# KiCad board Lime_RFE.kicad_pcb (continued)
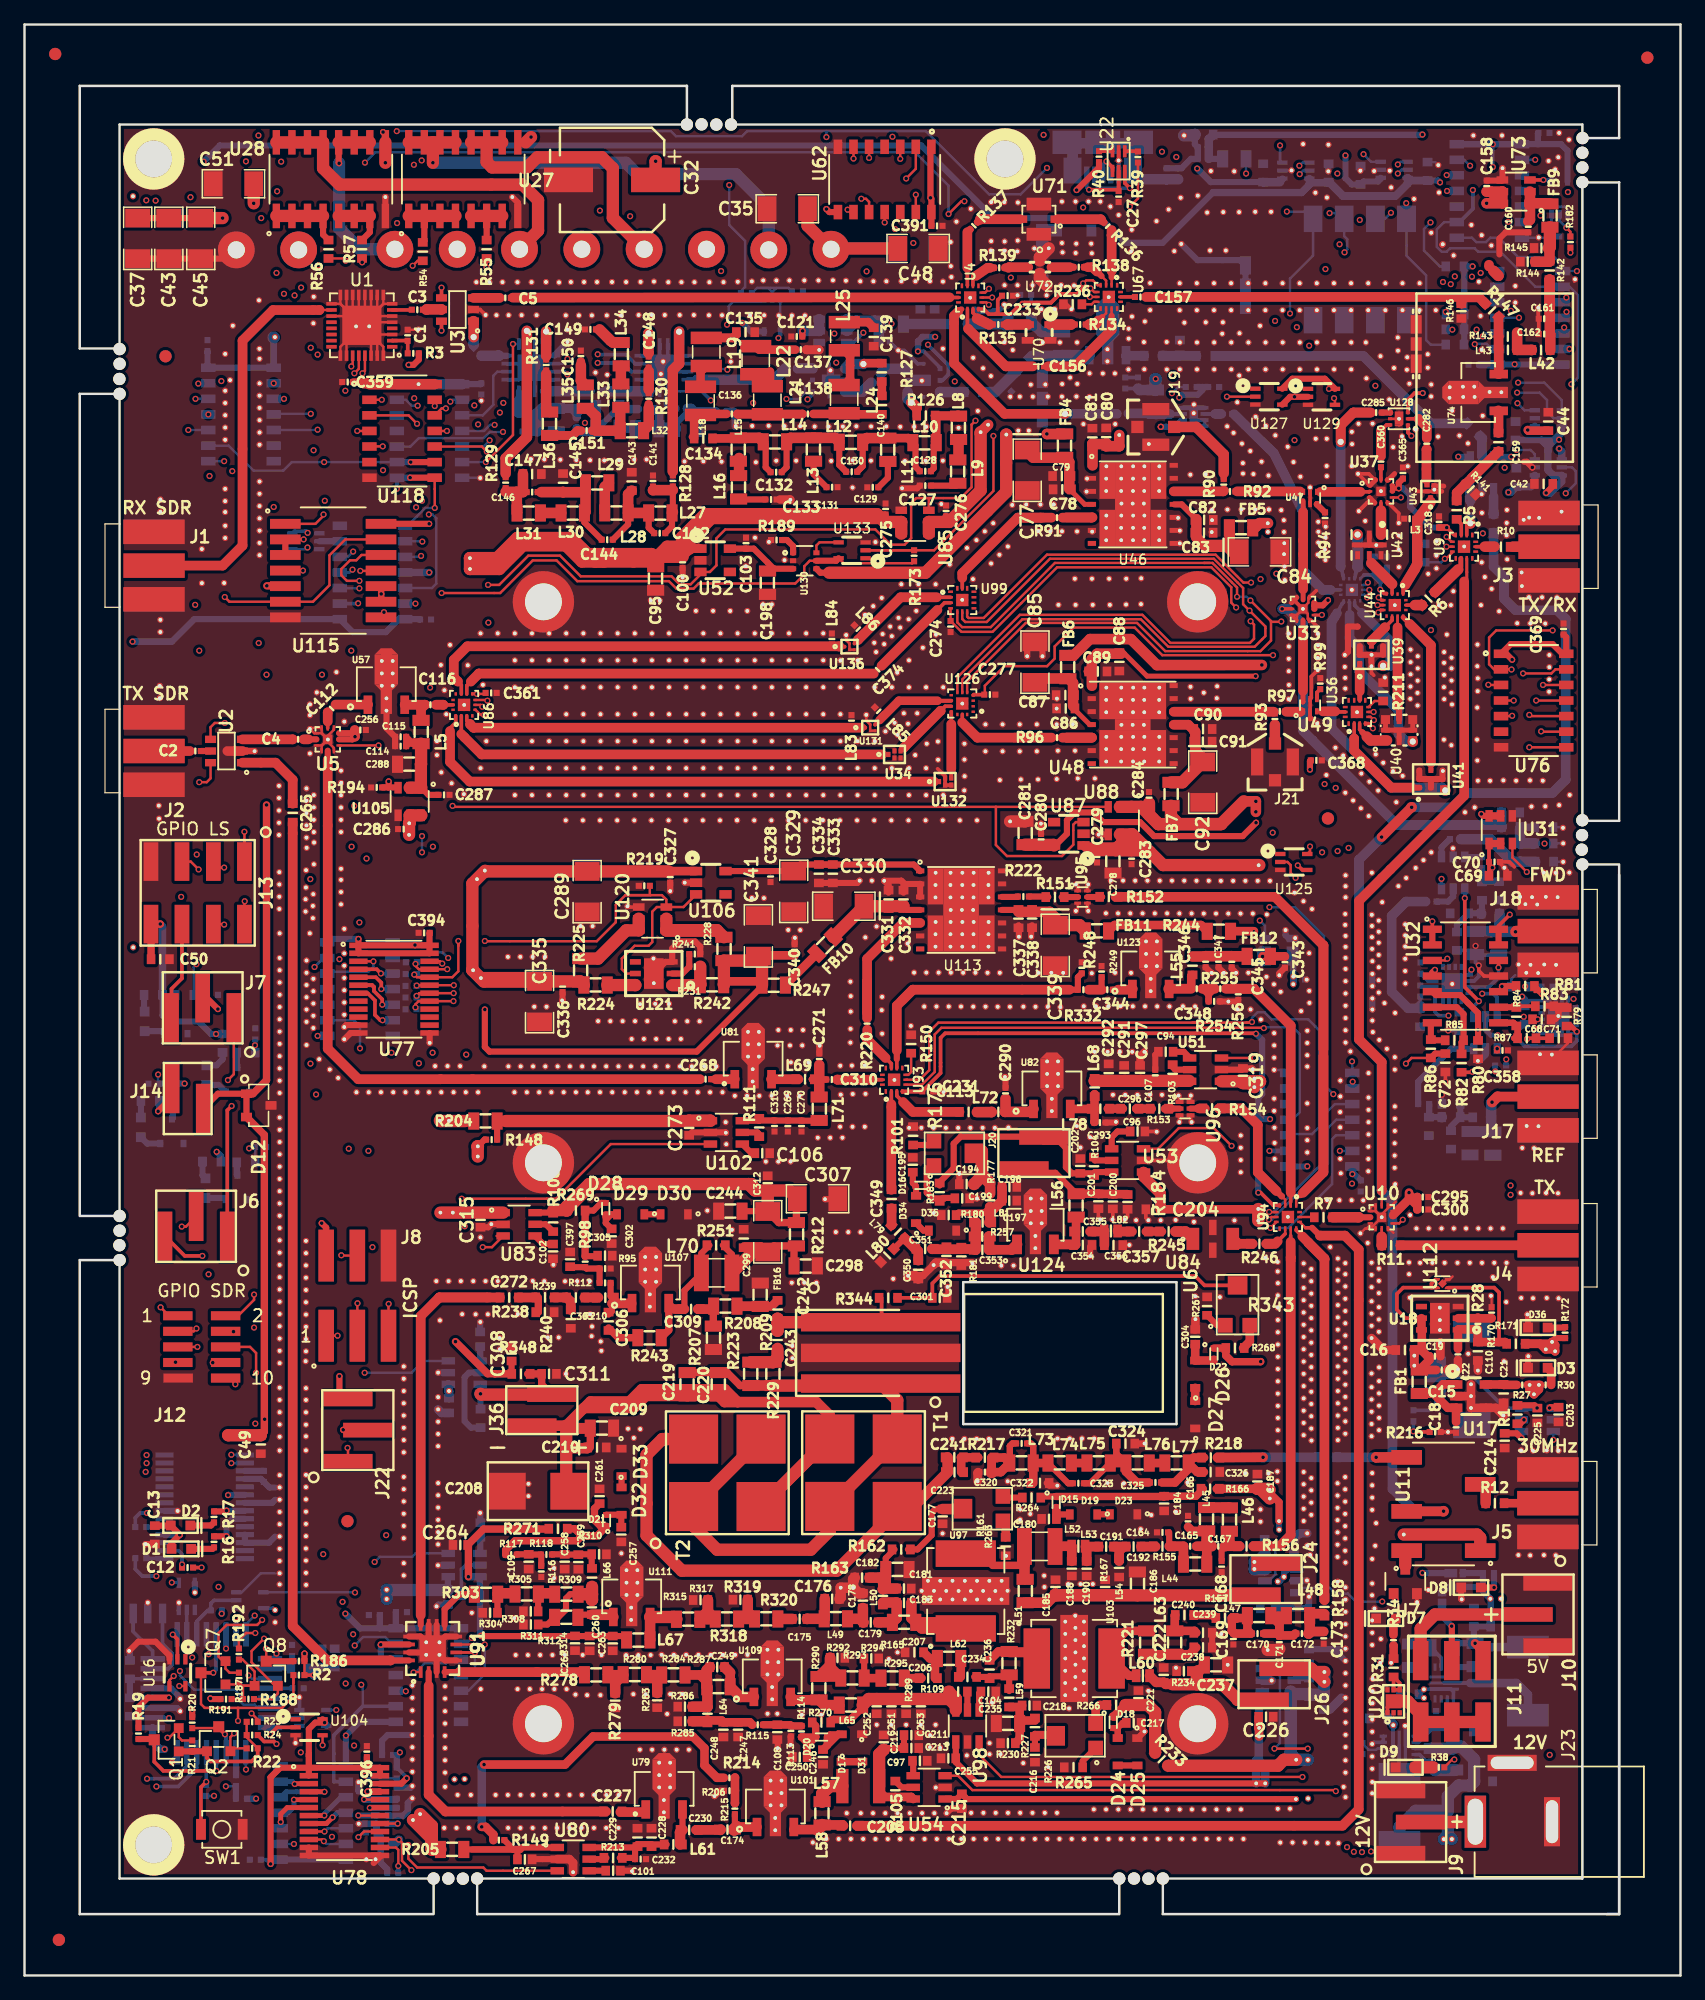
[diagram p0: board, top side]
## Nets (continued)
Net-(C187-Pad1): C187.1 GND_VIA#252.1 GND_VIA#253.1 GND_VIA#254.1 GND_VIA#255.1 GND_VIA#631.1 GND_VIA#632.1 J24.2 R102.2 R166.2 U50.6
Net-(C188-Pad1): C188.1 L52.1 L53.2
Net-(C189-Pad2): C189.2 FB2.1 U12.18
Net-(C190-Pad1): C190.1 C191.2 L53.1
Net-(C191-Pad1): C191.1 C192.2 L54.1
Net-(C194-Pad2): C194.2 R176.2 R177.1
Net-(C195-Pad1): C195.1 D16.2 D34.2
Net-(C196-Pad1): C196.1 C197.1 L81.1 R177.2 R180.2
Net-(C199-Pad1): C199.1 D16.1 R176.3 R183.1
Net-(C200-Pad2): C200.2 C201.2 J20.1 L56.1 R184.1
Net-(C202-Pad1): C202.1 J20.2 R104.2 R183.2 U53.6
Net-(C205-Pad2): C205.2 L58.2 U101.3
Net-(C206-Pad1): C206.1 C207.1 L62.2
Net-(C208-Pad1): C208.1 C209.2 C210.2 C219.2 C220.2 J36.1 T1.2 T2.2
Net-(C211-Pad2): C211.2 C212.2 C213.1 L57.1 R105.2 U54.6
Net-(C214-Pad1): C214.1 U110.4
Net-(C216-Pad2): C216.2 R226.2 R227.1
Net-(C217-Pad1): C217.1 D18.2 D24.2
Net-(C218-Pad1): C218.1 C235.1 L59.1 R227.2 R230.2
Net-(C219-Pad1): C219.1 C220.1 R223.2 R229.2 T1.1 T1.3 T2.1 T2.3 U6.3
Net-(C221-Pad1): C221.1 D18.1 R233.1 R266.2
Net-(C222-Pad2): C222.2 C237.2 J26.1 L60.1 R234.1
Net-(C223-Pad2): C223.2 C241.2 T1.4 T2.4
Net-(C224-Pad1): C224.1 GND_VIA#225.1 GND_VIA#226.1 GND_VIA#229.1 GND_VIA#230.1 J26.2 R106.2 R233.2 U55.6
Net-(C227-Pad1): C227.1 U79.1
Net-(C228-Pad1): C228.1 C229.1 C232.1 L61.1 R213.2 U80.6
Net-(C230-Pad2): C230.2 L61.2 U79.3
Net-(C231-Pad1): C231.1 L72.2
Net-(C234-Pad1): C234.1 C236.2 L59.2 R232.2
Net-(C234-Pad2): C234.2 L62.1
Net-(C236-Pad1): C236.1 R232.1 U103.1
Net-(C238-Pad1): C238.1 L63.2 R221.1
Net-(C239-Pad1): C239.1 C240.2 L63.1
Net-(C242-Pad1): C242.1 C243.2 R344.2 U6.1
Net-(C242-Pad2): C242.2 R208.1 R209.2
Net-(C243-Pad1): C243.1 R223.1 R229.1
Net-(C244-Pad1): C244.1 C307.1 C312.1 FB16.1 R108.2 R212.2 R269.2 U83.6
Net-(C246-Pad1): C246.1 D17.2 D20.2
Net-(C247-Pad1): C247.1 C248.1 L64.1 R115.1 R285.2
Net-(C249-Pad1): C249.1 R287.1 U109.1
Net-(C249-Pad2): C249.2 L64.2 R284.1 R286.2 R287.2
Net-(C250-Pad1): C250.1 D20.1 R114.2 R270.1
Net-(C251-Pad2): C251.2 C252.2 C253.1 L65.1 R109.2 R270.2 R289.1 U98.6
Net-(C257-Pad1): C257.1 D21.2 D32.2
Net-(C258-Pad1): C258.1 C259.1 L66.1 R118.1 R310.2
Net-(C260-Pad1): C260.1 R312.1 U111.1
Net-(C260-Pad2): C260.2 L66.2 R309.1 R311.2 R312.2
Net-(C261-Pad1): C261.1 D21.1 R117.2 R271.1
Net-(C262-Pad2): C262.2 C263.2 C264.1 L67.1 R110.2 R271.2 R314.1 U100.6
Net-(C265-Pad2): C265.2 U2.1
Net-(C268-Pad2): C268.2 U81.1
Net-(C269-Pad2): C269.2 C270.2 C316.1 L71.1 R111.2 U102.6
Net-(C271-Pad1): C271.1 C310.1 L69.1 L71.2
Net-(C272-Pad1): C272.1 R238.2 R239.1
Net-(C282-Pad2): C282.2 U128.2
Net-(C285-Pad1): C285.1 U128.4
Net-(C290-Pad1): C290.1 L72.1 U82.1
Net-(C293-Pad1): C293.1 L68.2 L78.2 U82.3
Net-(C294-Pad2): C294.2 U8.5
Net-(C296-Pad2): C296.2 L78.1
Net-(C298-Pad1): C298.1 C299.1 FB16.2 L70.1 R212.1 R251.2
Net-(C301-Pad2): C301.2 R343.2 R344.1
Net-(C302-Pad1): C302.1 D28.2 D29.2
Net-(C303-Pad1): C303.1 R210.2
Net-(C303-Pad2): C303.2 R239.2 R240.2
Net-(C304-Pad1): C304.1 D22.2 D26.2
Net-(C305-Pad1): C305.1 D28.1 R98.2 R269.1
Net-(C306-Pad1): C306.1 R243.1
Net-(C306-Pad2): C306.2 R112.1 R210.1 U107.1
Net-(C308-Pad1): C308.1 D22.1 R268.2 R348.1
Net-(C309-Pad2): C309.2 L70.2 R243.2 R251.1 U107.3
Net-(C311-Pad1): C311.1 J36.2 R107.2 R348.2 U56.6
Net-(C313-Pad2): C313.2 U8.1
Net-(C320-Pad1): C320.1 C321.2 L73.2 R217.1
Net-(C321-Pad1): C321.1 C322.1 C323.2 L73.1 L74.2
Net-(C323-Pad1): C323.1 C324.1 C325.2 L75.1 L76.2
Net-(C325-Pad1): C325.1 C326.1 L77.1 R218.2
Net-(C330-Pad1): C330.1 C331.1 C332.1 FB10.2 U113.4
Net-(C337-Pad1): C337.1 C338.1 C339.1 FB11.2 U113.11
Net-(C340-Pad1): C340.1 C341.1 R228.1 R242.2 R244.1 R247.1
Net-(C343-Pad1): C343.1 FB12.2 U122.1 U122.2
Net-(C344-Pad1): C344.1 U123.1
Net-(C344-Pad2): C344.2 R249.1 R332.1
Net-(C345-Pad1): C345.1 C346.2 C347.2 FB12.1 L55.1
Net-(C348-Pad1): C348.1 R254.1 R255.2
Net-(C348-Pad2): C348.2 L55.2 U123.3
Net-(C349-Pad1): C349.1 L79.2
Net-(C350-Pad2): C350.2 C351.2 L79.1 L80.1
Net-(C351-Pad1): C351.1 C352.1 C353.2 L81.2 R181.2 R257.2
Net-(C353-Pad1): C353.1 R257.1 U124.1
Net-(C354-Pad1): C354.1 C355.2 L56.2 U124.3
Net-(C355-Pad1): C355.1 C356.1 L82.2
Net-(C357-Pad2): C357.2 L82.1
Net-(C358-Pad2): C358.2 U30.1
Net-(C360-Pad1): C360.1 U128.6
Net-(C374-Pad1): C374.1 U86.9
Net-(C374-Pad2): C374.2 U99.3
Net-(C397-Pad1): C397.1 R95.1 R98.1 R112.2
Net-(CON1-Pad2): CON1.2 U22.6
Net-(CON1-Pad3): CON1.3 U22.4
Net-(CON1-Pad4): CON1.4
Net-(D1-Pad2): D1.2 R16.1
Net-(D2-Pad2): D2.2 R17.1
Net-(D3-Pad1): D3.1 R30.1
Net-(D7-Pad1): D7.1 R34.2
Net-(D8-Pad1): D8.1 R35.2
Net-(D9-Pad1): D9.1 R38.1
Net-(D10-Pad1): D10.1 R48.1
Net-(D10-Pad2): D10.2 Q3.3
Net-(D11-Pad1): D11.1 R49.1
Net-(D11-Pad2): D11.2 Q4.3
Net-(D13-Pad1): D13.1 R52.1
Net-(D13-Pad2): D13.2 Q5.3
Net-(D14-Pad1): D14.1 R53.1
Net-(D14-Pad2): D14.2 Q6.3
Net-(D17-Pad1): D17.1 D31.2
Net-(D19-Pad1): D19.1 D23.2
Net-(D24-Pad1): D24.1 D25.2
Net-(D26-Pad1): D26.1 D27.2
Net-(D29-Pad1): D29.1 D30.2
Net-(D32-Pad1): D32.1 D33.2
Net-(D34-Pad1): D34.1 D35.2
Net-(D36-Pad1): D36.1 R172.2
Net-(FB8-Pad1): FB8.1 R121.2 R122.2 R123.2
Net-(FB9-Pad1): FB9.1 R142.2 R144.2 R145.2
Net-(IC1-Pad5): IC1.5
Net-(IC1-Pad6): IC1.6
Net-(IC1-Pad7): IC1.7
Net-(IC1-Pad8): IC1.8
Net-(IC1-Pad9): IC1.9 IC2.9 R78.1 R79.2
Net-(IC1-Pad11): IC1.11 IC1.12 U32.12
Net-(IC1-Pad13): IC1.13
Net-(IC1-Pad15): IC1.15
Net-(IC1-Pad16): IC1.16
Net-(IC2-Pad5): IC2.5
Net-(IC2-Pad6): IC2.6
Net-(IC2-Pad7): IC2.7
Net-(IC2-Pad8): IC2.8
Net-(IC2-Pad11): IC2.11 IC2.12 U32.3
Net-(IC2-Pad13): IC2.13
Net-(IC2-Pad15): IC2.15
Net-(IC2-Pad16): IC2.16
Net-(J1-Pad1): J1.1 U1.18
Net-(J3-Pad1): J3.1 R10.1
Net-(J4-Pad1): J4.1 R11.1
Net-(J5-Pad1): J5.1 R12.1
Net-(J6-Pad2): J6.2 U12.22
Net-(J7-Pad2): J7.2 U12.19
Net-(J10-Pad2): J10.2 J11.5
Net-(J11-Pad2): J11.2 J11.4 J11.6 U20.1
Net-(J17-Pad1): J17.1 R62.1 R64.1 R67.1
Net-(J18-Pad1): J18.1 R63.1 R66.1 R69.1
Net-(J19-Pad1): J19.1 R90.1
Net-(J21-Pad1): J21.1 R93.1
Net-(L1-Pad2): L1.2 U19.2
Net-(L2-Pad2): L2.2 U21.2
Net-(L3-Pad1): L3.1 U43.1 U44.1
Net-(L6-Pad2): L6.2 L7.1
Net-(L8-Pad2): L8.2 L9.1
Net-(L15-Pad2): L15.2 L16.1
Net-(L18-Pad2): L18.2 L19.1
Net-(L21-Pad2): L21.2 L22.1
Net-(L24-Pad2): L24.2 L25.1
Net-(L28-Pad1): L28.1 L29.2
Net-(L30-Pad1): L30.1 L31.2
Net-(L33-Pad2): L33.2 L34.1
Net-(L36-Pad1): L36.1 R131.1
Net-(L38-Pad1): L38.1 L39.2
Net-(L42-Pad2): L42.2 L43.1 R143.2
Net-(L43-Pad2): L43.2 R143.1 R147.2 U74.3
Net-(L45-Pad1): L45.1 L46.2
Net-(L51-Pad2): L51.2 L52.2 U97.2
Net-(L57-Pad2): L57.2 L58.1
Net-(L60-Pad2): L60.2 R221.2 U103.2
Net-(L65-Pad2): L65.2 R290.2 U109.3
Net-(L67-Pad2): L67.2 R315.2 U111.3
Net-(L69-Pad2): L69.2 U81.3
Net-(L74-Pad1): L74.1 L75.2
Net-(L76-Pad1): L76.1 L77.2
Net-(L83-Pad2): L83.2 U86.3 U131.1
Net-(L84-Pad2): L84.2 U86.10 U136.1
Net-(L85-Pad2): L85.2 U126.9 U131.4
Net-(L86-Pad2): L86.2 U99.2 U136.4
Net-(P1-Pad3): P1.3 R235.1
Net-(Q1-PadG): Q1.G Q2.G R21.2 R22.2 R23.2 R24.2
Net-(Q3-Pad1): Q3.1 R46.1
Net-(Q4-Pad1): Q4.1 R47.1
Net-(Q5-Pad1): Q5.1 R50.1
Net-(Q6-Pad1): Q6.1 R51.1
Net-(Q7-PadG): Q7.G Q8.G R187.2 R188.2 R191.2 R192.2
Net-(R1-Pad1): R1.1 U110.5
Net-(R4-Pad2): R4.2 U12.26
Net-(R5-Pad1): R5.1 U9.3
Net-(R6-Pad1): R6.1 U9.9
Net-(R7-Pad1): R7.1 U10.2
Net-(R9-Pad1): R9.1 U9.7
Net-(R10-Pad2): R10.2 U9.13
Net-(R11-Pad2): R11.2 U10.5
Net-(R12-Pad2): R12.2 U11.3
Net-(R14-Pad2): R14.2 U12.31
Net-(R15-Pad2): R15.2 U12.30
Net-(R16-Pad2): R16.2 U13.23
Net-(R17-Pad2): R17.2 U13.22
Net-(R25-Pad2): R25.2 R26.2 U19.5
Net-(R29-Pad1): R29.1 U19.7
Net-(R31-Pad2): R31.2 U20.4 U20.5
Net-(R32-Pad2): R32.2 R33.2 U21.5
Net-(R36-Pad1): R36.1 U21.7
Net-(R39-Pad1): R39.1 U22.1
Net-(R40-Pad1): R40.1 U22.3
Net-(R54-Pad1): R54.1 U27.1 U27.2 U27.3 U27.4
Net-(R55-Pad1): R55.1 U27.5 U27.6 U27.7
Net-(R56-Pad1): R56.1 U28.1 U28.2 U28.3 U28.4
Net-(R57-Pad1): R57.1 U28.5 U28.6 U28.7
Net-(R80-Pad2): R80.2 R81.1 U32.5
Net-(R81-Pad2): R81.2 U32.10 U32.13 U32.14
Net-(R82-Pad1): R82.1 R85.2 U32.6
Net-(R82-Pad2): R82.2 U32.1 U32.2
Net-(R83-Pad2): R83.2 R84.1 U32.9
Net-(R84-Pad2): R84.2 R87.1 U32.8
Net-(R85-Pad1): R85.1 R86.1 U32.7
Net-(R88-Pad2): R88.2 R89.2 U45.6
Net-(R90-Pad2): R90.2 R92.1 U46.12
Net-(R91-Pad1): R91.1 U46.5
Net-(R92-Pad2): R92.2 U47.3
Net-(R93-Pad2): R93.2 R97.1 U48.12
Net-(R94-Pad1): R94.1 U47.6
Net-(R96-Pad1): R96.1 U48.5
Net-(R97-Pad2): R97.2 U49.1
Net-(R99-Pad1): R99.1 U49.4
Net-(R101-Pad2): R101.2 R176.1
Net-(R102-Pad1): R102.1 U50.5
Net-(R103-Pad1): R103.1 U51.5
Net-(R104-Pad1): R104.1 U53.5
Net-(R105-Pad1): R105.1 U54.5
Net-(R106-Pad1): R106.1 U55.5
Net-(R107-Pad1): R107.1 U56.5
Net-(R108-Pad1): R108.1 U83.5
Net-(R109-Pad1): R109.1 U98.5
Net-(R110-Pad1): R110.1 U100.5
Net-(R111-Pad1): R111.1 U102.5
Net-(R134-Pad1): R134.1 U70.1
Net-(R135-Pad2): R135.2 U70.2
Net-(R136-Pad1): R136.1 U71.1
Net-(R137-Pad2): R137.2 U71.2
Net-(R138-Pad1): R138.1 U72.2
Net-(R139-Pad2): R139.2 U72.4
Net-(R140-Pad1): R140.1 R168.2 U77.22 U78.22
Net-(R150-Pad1): R150.1 U93.7
Net-(R151-Pad1): R151.1 U95.2
Net-(R152-Pad2): R152.2 U95.5
Net-(R153-Pad2): R153.2 U96.2
Net-(R154-Pad2): R154.2 U96.5
Net-(R161-Pad1): R161.1 R263.2
Net-(R161-Pad3): R161.3 R264.1
Net-(R170-Pad2): R28.1 R170.2 U18.2
Net-(R175-Pad2): R175.2 R178.1 U64.2
Net-(R182-Pad2): R182.2 R185.1 U69.2
Net-(R189-Pad1): R189.1 U130.1
Net-(R206-Pad1): R206.1 R214.1 R215.2
Net-(R211-Pad1): R211.1 U36.7
Net-(R213-Pad1): R213.1 U80.5
Net-(R220-Pad1): R220.1 U113.5
Net-(R222-Pad1): R222.1 U113.12
Net-(R224-Pad1): R224.1 U121.6
Net-(R225-Pad1): R225.1 U120.5 U120.6
Net-(R226-Pad1): R226.1 R265.2
Net-(R226-Pad3): R226.3 R266.1
Net-(R228-Pad2): R228.2 U120.1 U120.2
Net-(R231-Pad1): R231.1 R241.2 U121.2
Net-(R231-Pad2): R231.2 R242.1 U121.1
Net-(R236-Pad1): R236.1 U67.7
Net-(R245-Pad1): R245.1 U84.1
Net-(R246-Pad2): R246.2 U84.3
Net-(R267-Pad2): R267.2 R343.1
Net-(R268-Pad1): R268.1 R343.3
Net-(R278-Pad2): R278.2 R279.2 R280.2
Net-(R280-Pad1): R280.1 R283.2 R284.2
Net-(R290-Pad1): R290.1 R292.2 R293.2
Net-(R293-Pad1): R293.1 R294.2 R295.2
Net-(R303-Pad2): R303.2 R304.2 R305.2
Net-(R305-Pad1): R305.1 R308.2 R309.2
Net-(R315-Pad1): R315.1 R317.2 R318.2
Net-(R318-Pad1): R318.1 R319.2 R320.2
Net-(U1-Pad1): U1.1
Net-(U1-Pad4): U1.4
Net-(U1-Pad20): U1.20
Net-(U1-Pad21): U1.21
Net-(U1-Pad22): U1.22
Net-(U1-Pad23): U1.23
Net-(U1-Pad24): U1.24
Net-(U4-Pad8): U4.8
Net-(U4-Pad11): U4.11
Net-(U4-Pad12): U4.12
Net-(U4-Pad14): U4.14
Net-(U9-Pad1): U9.1
Net-(U9-Pad8): U9.8
Net-(U9-Pad11): U9.11
Net-(U9-Pad12): U9.12
Net-(U9-Pad14): U9.14
Net-(U10-Pad11): U9.10 U10.11
Net-(U11-Pad8): U7.1 U11.8
Net-(U12-Pad7): U12.7 X1.3
Net-(U12-Pad8): U12.8 X1.1
Net-(U12-Pad12): U12.12
Net-(U13-Pad3): U13.3
Net-(U13-Pad6): U13.6
Net-(U13-Pad8): U13.8
Net-(U13-Pad9): U13.9
Net-(U13-Pad10): U13.10
Net-(U13-Pad11): U13.11
Net-(U13-Pad12): U13.12
Net-(U13-Pad13): U13.13
Net-(U13-Pad14): U13.14
Net-(U13-Pad19): U13.19
Net-(U13-Pad24): U13.24
Net-(U13-Pad27): U13.27
Net-(U13-Pad28): U13.28
Net-(U14-Pad1): U14.1
Net-(U15-Pad1): U15.1
Net-(U16-Pad1): U16.1
Net-(U18-Pad4): U18.4
Net-(U20-Pad3): U20.3
Net-(U34-Pad1): U34.1 U86.2
Net-(U35-Pad2): U35.2
Net-(U35-Pad3): TRANS_VIA#6.1 U35.3 U42.3
Net-(U35-Pad8): U35.8
Net-(U35-Pad9): TRANS_VIA#5.1 U35.9 U39.3
Net-(U35-Pad10): TRANS_VIA#3.1 U35.10 U40.3
Net-(U35-Pad11): TRANS_VIA#4.1 U35.11 U41.3
Net-(U35-Pad12): U35.12
Net-(U35-Pad14): U35.14
Net-(U36-Pad1): U36.1
Net-(U36-Pad2): U36.2 U41.1
Net-(U36-Pad3): U36.3 U40.1
Net-(U36-Pad8): U36.8
Net-(U36-Pad9): U36.9 U39.1
Net-(U36-Pad10): U36.10
Net-(U36-Pad11): U36.11
Net-(U36-Pad12): U36.12
Net-(U36-Pad14): U36.14
Net-(U37-Pad5): U37.5 U42.1
Net-(U39-Pad6): U39.6 U44.9
Net-(U40-Pad6): U40.6 U44.10
Net-(U41-Pad6): U41.6 U44.11
Net-(U42-Pad6): U42.6 U44.3
Net-(U44-Pad2): U44.2
Net-(U44-Pad8): U44.8
Net-(U44-Pad12): U44.12
Net-(U44-Pad14): U44.14
Net-(U46-Pad7): U46.7
Net-(U48-Pad7): U48.7
Net-(U52-Pad4): U52.4
Net-(U60-Pad11): U60.11
Net-(U60-Pad12): U60.12
Net-(U60-Pad13): U60.13 U62.2
Net-(U62-Pad4): U62.4
Net-(U62-Pad12): U62.12
Net-(U67-Pad1): U67.1
Net-(U67-Pad8): U67.8
Net-(U67-Pad11): U67.11
Net-(U67-Pad12): U67.12
Net-(U67-Pad14): U67.14
Net-(U68-Pad3): U68.3
Net-(U68-Pad4): U68.4
Net-(U68-Pad6): U68.6
Net-(U68-Pad10): U68.10
Net-(U75-Pad2): U75.2 U90.13
Net-(U75-Pad10): U75.10
Net-(U75-Pad11): U75.11
Net-(U75-Pad13): U75.13 U89.2
Net-(U76-Pad6): U76.6
Net-(U77-Pad8): U77.8
Net-(U77-Pad9): U77.9
Net-(U77-Pad10): U77.10
Net-(U77-Pad14): U77.14
Net-(U77-Pad15): U77.15
Net-(U77-Pad16): U77.16
Net-(U86-Pad4): U86.4
Net-(U86-Pad11): U86.11
Net-(U86-Pad12): U86.12
Net-(U86-Pad14): U86.14
Net-(U87-Pad4): U87.4
Net-(U89-Pad6): U89.6
Net-(U89-Pad11): U89.11
Net-(U89-Pad13): U89.13 U92.2
Net-(U90-Pad5): U90.5
Net-(U90-Pad6): U90.6
Net-(U93-Pad1): U93.1
Net-(U93-Pad8): U93.8
Net-(U93-Pad11): U93.11
Net-(U93-Pad12): U93.12
Net-(U93-Pad14): U93.14
Net-(U94-Pad8): U94.8
Net-(U94-Pad14): U94.14
Net-(U99-Pad1): U99.1
Net-(U99-Pad8): U99.8
Net-(U99-Pad9): U99.9
Net-(U99-Pad10): U99.10
Net-(U99-Pad11): U99.11
Net-(U99-Pad12): U99.12
Net-(U99-Pad14): U99.14
Net-(U104-Pad1): U104.1
Net-(U106-Pad4): U106.4
Net-(U108-Pad1): U108.1
Net-(U113-Pad7): U113.7
Net-(U114-Pad1): U114.1
Net-(U116-Pad13): U116.13 U117.2
Net-(U117-Pad6): U117.6
Net-(U118-Pad6): U118.6
Net-(U119-Pad6): U119.6
Net-(U121-Pad4): U121.4
Net-(U125-Pad1): U125.1
Net-(U126-Pad1): U126.1
Net-(U126-Pad2): U126.2
Net-(U126-Pad3): U126.3
Net-(U126-Pad8): U126.8
Net-(U126-Pad10): U34.4 U126.10
Net-(U126-Pad11): U126.11 U132.4
Net-(U126-Pad12): U126.12
Net-(U126-Pad14): U126.14
Net-(U127-Pad1): U127.1
Net-(U129-Pad1): U129.1
Net-(U130-Pad6): U130.6 U133.4
Net-(U132-Pad1): U86.1 U132.1
Net-(U133-Pad1): U133.1

Pads without a net: P4 1 2; P4#2 1 2; P4#3 1 2; P4#4 1 2; P4#5 1 2; P4#6 1 2

## Via types
v1: diameter 0.5, hole 0.3, T to B, 622 vias
v2: diameter 0.5, hole 0.2, T to B, 1 via

## Routing (per net, layer and track width the routed paths; a pad name or vN(x,y) marks a point on that pad's centre or on a via; arc(x,y) is an arc through that point)
+2.5V: length 816.2
  T w0.2: v1(31.83,83.98) 31.83,83.96 ; v1(31.83,83.98) 31.83,83.96 ; v1(31.83,83.98) 31.83,83.96 ; 120.8,107.72 v1(121.28,107.23) ; v1(12.62,23.59) 13.09,23.59 U16.5
  T w0.3: 23.18,18.05 23.18,18.05
  T w0.5: U77.24 U77.1 ; U77.24 U77.23 U77.2 U77.1 ; U77.24 33.02,84.96 C394.2 ; 20.84,16.93 20.06,16.15 ; 20.84,16.93 20.06,16.15 ; 20.84,16.93 U78.1 ; 20.06,16.15 v1(20.06,9.09) ; v1(27.22,84.48) 27.22,83.96 U77.1 ; 23.18,17.88 23.18,18.05 23.18,18.05 23.18,16.94 ; 23.18,17.88 23.18,20.08 23.7,20.61 v1(24.47,20.61) 24.3,20.78 U104.5 ; 23.18,17.88 U78.1 ; GND_VIA#1279.1 124.84,51.95 R172.1 ; v1(121.28,107.23) 120.8,107.72 U76.1 121.16,108.5 124.58,108.5 125.37,107.72 U76.14 125.69,109.06 C369.2 ; U62.1 73.86,148.96 v1(73.86,144.88) 73.93,144.8 U62.14 73.94,143.71 C391.2 ; 27.89,16.93 U78.24 U78.23 ; 27.89,16.93 U78.1 ; 27.89,16.93 27.91,16.94 C396.2 ; U78.1 U78.2 ; U118.1 GND_VIA#1036.1
  T w0.6: U118.1 27.94,129.87 C359.2 ; 125.71,107.74 U76.14
  T w0.7: 124.38,51.48 GND_VIA#1279.1 124.78,51.38 GND_VIA#1281.1 124.63,51.02 GND_VIA#1280.1 123.56,51.48 R171.1 124.38,51.48
  T w0.86: U118.14 U118.1
  SIG1 w0.3: 24,83.79 24.68,84.48 v1(27.22,84.48)
  SIG1 w0.4: v1(108.25,65.31) 107.61,65.95 v1(104.58,65.95)
  SIG1 w0.5: 25.86,29.78 v1(26.15,29.48) 25.86,29.78 ; 25.86,29.78 GND_VIA#1205.1 ; v1(27.22,84.48) 24.68,84.48 24,83.79 GND_VIA#1301.1
  SIG2 w0.5: v1(121.48,131.31) 122.78,130.02 122.78,127.78 121.94,126.94 121.07,126.94 120.03,125.9 120.03,114.8 121.01,113.82 121.01,109.32 121.28,109.05 v1(121.28,107.23)
  PWR w0.3: 126.13,65.04 111.19,65.04 111.04,64.89 108.67,64.89 v1(108.25,65.31) ; v1(119.7,147.39) 119.7,147.14 120.21,146.63 120.21,144.09 117.29,141.17 117.29,132.33 118.31,131.31 v1(121.48,131.31)
  PWR w0.5: 126.13,50.92 126.15,50.92 126.15,50.9 126.13,50.87 GND_VIA#1281.1 124.17,50.87 GND_VIA#1280.1 ; 126.13,51.63 126,51.63 126.13,51.63 ; 126.13,51.63 GND_VIA#1279.1 124.53,51.53 GND_VIA#1280.1 ; 58.51,136.67 31.72,136.67 30.22,135.17 30.22,129.69 ; 58.51,136.67 58.51,136.62 58.51,136.67 ; 58.51,136.67 75.28,136.67 76.7,138.1 76.7,140.69 ; 58.51,136.67 v1(58.51,134.69) ; 76.7,140.69 76.7,141.45 77.69,142.44 89.4,142.44 96.23,149.27 101.29,149.27 102.28,150.26 112.44,150.26 113.43,149.27 119.68,149.27 v1(119.7,149.25) ; 76.7,140.69 76.7,143.25 75.08,144.88 v1(73.86,144.88) ; 25.88,133.52 29.71,129.69 GND_VIA#1036.1 ; 8.84,32.95 10.58,31.21 GND_VIA#1300.1 11.91,31.21 11.07,30.37 11.66,29.78 14.13,29.78 15.05,30.7 18.66,30.7 19.59,29.78 GND_VIA#1205.1 ; 8.84,82.11 8.86,82.11 GND_VIA#1301.1 ; 8.86,23.49 12.51,23.49 v1(12.62,23.59) ; 8.86,23.49 8.86,15.67 10.33,14.19 12.31,14.19 15.02,11.48 15.02,10.57 16.5,9.09 v1(20.06,9.09) 26,9.09 ; 8.86,23.49 8.84,23.49 ; 26,9.09 26.59,8.5 ; 26,9.09 26.59,8.5 ; 26.59,8.5 29.13,8.5 ; 26.59,8.5 29.13,8.5 ; 29.13,8.5 30.56,9.94 ; 29.13,8.5 30.56,9.94 ; 30.56,9.94 50.88,9.94 51.75,9.08 94.36,9.08 94.71,8.73 124.76,8.73 126.13,10.1 126.13,51.28 124.27,51.28 GND_VIA#1280.1 ; v1(8.81,108.71) 8.81,125.6
  PWR w1: 125.56,76.61 125.56,75.85 126.13,75.28 126.13,50.92 126.13,51.28 ; 8.84,23.49 8.84,24.93 11.07,27.15 11.07,30.37 11.07,30.09 11.07,30.7 8.84,32.93 8.84,52.65 ; 8.84,120.65 8.84,121.62 8.81,121.66 8.81,125.6 ; 8.84,120.65 8.84,64.31 9.64,63.51 9.64,55.62 8.84,54.82 ; 8.84,120.65 8.84,127.25 9.75,128.15 9.75,133.51 ; 8.84,54.82 8.84,52.65 ; 8.84,54.82 8.84,52.74 8.76,52.65 8.84,52.65 ; 9.75,133.51 8.84,134.41 GND_VIA#1254.1 ; 9.75,133.51 9.76,133.52 GND_VIA#1338.1 25.88,133.52 29.71,129.69 GND_VIA#1036.1
  B w0.2: 108.25,65.32 v1(108.25,65.31) ; 104.56,65.93 v1(104.58,65.95) ; v1(121.48,131.31) 121.46,131.29 U119.1 ; U75.1 30.22,83.98
  B w0.3: v1(20.06,9.09) 19.72,9.43 C163.2 ; GND_VIA#1205.1 20.28,29.93 U14.5 ; 32.22,110.54 C398.2 ; v1(119.7,149.25) v1(119.7,147.39)
  B w0.5: U75.1 30.22,83.98 v1(31.83,83.98) ; U69.5 125.79,148.72 125.27,149.25 123.37,149.25 ; C111.2 30.26,29.6 U89.14 ; v1(20.06,9.09) 20.42,9.45 U92.1 U92.14 ; v1(27.22,84.48) 24.96,84.48 U75.14 24.66,84.17 ; 27.35,28.29 v1(26.15,29.48) 27.35,28.29 ; 27.35,28.29 28.96,28.29 ; v1(24.47,20.61) 24.61,20.46 U108.5 ; 124.38,51.48 GND_VIA#1279.1 ; 124.63,51.02 GND_VIA#1281.1 ; U15.5 13.89,31.98 GND_VIA#1300.1 ; 13.84,110.54 12.01,108.71 ; 13.84,110.54 12.01,108.71 ; 13.84,110.54 U116.1 26.76,109.48 29.46,109.48 30.51,110.54 U116.14 32.22,110.54 C398.2 ; 12.01,108.71 v1(8.81,108.71) 12.01,108.71 ; v1(58.51,134.69) 59.23,133.98 U64.5 ; 20.31,133.5 20.31,133.49 U117.1 ; GND_VIA#1338.1 20.31,133.41 U117.1 ; C390.2 37.17,129.69 U60.1 GND_VIA#1036.1 ; C393.2 108.42,65.31 v1(108.25,65.31) 108.25,65.32 U90.14 ; 123.37,149.25 U68.1 ; 123.37,149.25 123.37,150.11 C392.2 ; 28.96,28.29 28.96,29.37 C395.2 ; 28.96,28.29 U89.14 ; U119.1 U119.14 ; U68.1 v1(119.7,149.25) U68.14 U68.1 ; U89.1 U89.14 ; U117.1 U117.14 14.92,131.1 C399.2 ; 104.56,65.93 U90.1
  B w0.6: U119.1 120.05,131.28 C362.2
  B w0.86: U60.1 U60.14
  B w1: 20.31,133.49 20.31,133.5
+3V: length 821.7
  T w0.2: v1(100.39,76.75) 100.37,76.77 100.37,76.79 ; 112.87,63.59 v1(112.87,63.8) 112.87,63.59 ; 112.87,63.59 U10.9 U10.8 ; v1(18.51,21.36) 19.01,20.86 R23.1 ; v1(86.3,137.9) 86.55,138.15 87.1,138.15 87.5,137.75 U67.4 ; v1(98.77,111.49) 98.38,111.88 98.38,113.14 96.75,114.77 84.18,114.77 78.92,109.51 76.38,109.51 75.49,110.4 U99.4 ; v1(101.78,107.6) 92.75,107.6 90.51,109.85 85.51,109.85 83.98,108.31 83.98,107.32 83.36,106.71 79.88,106.71 78.29,105.11 78.29,104.43 C277.1 ; C361.1 37.51,104.45 U86.8 36.88,104.45 v1(36.89,104.44) ; v1(34,112.67) 38.78,112.67 41.43,115.32 43.38,115.32 45.06,113.64 52.53,113.64 53.14,113.03 54.54,113.03 54.96,113.44 62.83,113.44 63.57,114.18 63.57,114.85 64.01,115.3 U130.5 ; U133.5 66.77,115.1 72.36,115.1 R173.1 ; v1(104.8,92.01) 104.8,91.63 U125.5 ; 116.68,117.4 116.55,117.4
  T w0.3: 95.53,76.79 75.05,76.79 74.68,76.41 74.68,73.54 C113.1 ; 95.53,76.79 95.62,76.79 ; 95.53,76.79 100.37,76.79 100.37,76.79 ; U94.4 101.8,62.77 100.77,63.8 v1(100.58,63.8) ; v1(110.52,112.94) 110.83,112.64 111.04,112.64 ; v1(109.92,101.64) 109.55,102.02 U36.4 ; 116.55,117.4 v1(115.94,118) ; 35.94,75.12 v1(36.01,75.05) ; 79.18,135.4 78.61,135.4 78.2,135.81 77.78,135.81 U4.4 ; 79.18,135.4 79.34,135.57 79.34,136.55 C233.1 ; 79.18,135.4 80.38,135.4 81.31,136.33 83.68,136.33 ; 84.4,137.05 85.8,137.05 86.3,137.55 v1(86.3,137.9) ; 84.4,137.05 83.68,136.33 ; 84.4,137.05 83.68,136.33 ; 83.68,136.33 81.52,136.33 v1(81.37,136.19) ; C277.1 77.39,104.39 U126.4 ; v1(106.34,129.31) 106.34,129.31 U129.5 ; 73.24,72.03 71.58,72.03 U93.4 73.28,72.05
  T w0.4: 111.51,121.2 U37.8 ; 111.51,121.2 v1(112.03,121.2) ; 111.51,121.2 U37.9
  T w0.5: 105.15,111.62 U33.9 ; 105.15,111.62 105.19,111.66 105.84,111.66 v1(106.27,112.09) ; 105.15,111.62 U33.8 ; v1(15.16,22.58) 15.21,22.53 R191.1 ; C365.1 112.03,121.66 v1(112.03,121.2) ; C368.1 104.79,98.96 v1(104.79,98.28) ; U130.5 66.17,115.3 U133.5 ; U129.5 106.01,130.13 103.35,130.13 U127.5 ; U5.9 26.66,101.24 v1(26.94,100.96) 26.73,100.74 U5.8 ; U115.14 v1(32.99,118.31) ; 113.23,63.44 v1(112.87,63.8) 112.87,63.27 113.48,62.66 113.54,62.66 C295.1 113.23,63.44 ; 115.94,118.01 v1(115.94,118) 115.33,118 C318.1 115.94,118.01
  T w0.7: 111.57,61.97 112.87,63.27 v1(112.87,63.8) ; C295.1 113.54,63.44 C300.1 ; GND_VIA#1290.1 123.46,47.77 GND_VIA#1289.1 122.7,47.72 GND_VIA#1291.1 ; R27.1 R30.2
  T w0.79: v1(26.94,100.96) 26.92,100.98 C256.1
  SIG1 w0.2: v1(112.87,63.8) 112.87,63.8 ; v1(112.87,63.8) 112.87,63.8 ; v1(112.87,63.8) 112.87,63.8 ; v1(115.94,118) 116.48,117.47 116.48,115.06 114.36,112.94 v1(110.52,112.94) 110.3,112.94 109.92,112.57 109.92,112.09 109.5,111.66 108.17,111.66 107.75,112.09 v1(106.27,112.09) ; v1(33.06,104.96) 33.06,104.4 33.3,104.16 34.65,104.16 34.93,104.44 v1(36.89,104.44) ; v1(106.06,139.07) 106.06,139.07 106.06,136.79 ; v1(116.27,137.84) 116.29,137.83 v1(116.27,137.84)
  SIG1 w0.3: 36.49,74.57 36.49,73.58 ; 36.49,74.57 36.49,73.58 ; 36.49,74.57 v1(36.01,75.05) ; 36.49,73.58 36.85,73.22 57.12,73.22 57.85,73.96 57.85,77.16 58.59,77.9 96.11,77.9 ; 96.11,77.9 96.26,77.9 ; 96.11,77.9 97.48,77.9 98.62,76.75 v1(100.39,76.75) ; v1(86.3,137.9) 86.3,136.2 86.67,135.83 90.28,135.83 90.95,136.5 102.7,136.5 102.99,136.79 115.52,136.79 116.27,137.54 v1(116.27,137.84) ; v1(106.34,129.31) 106.6,129.56 v1(110.13,129.56) ; 100.61,63.83 120.95,63.83 v1(121.15,63.62) v1(121.15,64.38) 120.57,63.8 v1(100.58,63.8) 100.61,63.83
  SIG1 w0.5: v1(100.76,113.8) 99.61,114.96 84.02,114.96 79.67,119.3 37.31,119.3 36.31,118.31 v1(32.99,118.31) ; 107.14,101.64 104.79,99.3 ; 107.14,101.64 104.79,99.3 ; 107.14,101.64 v1(109.92,101.64) ; 104.79,99.3 v1(104.79,98.28) 104.79,99.3
  SIG2 w0.2: v1(118.89,117.53) 118.89,118.37 117.54,119.72 117.54,123.1 118.72,124.28 118.72,126.24 118.58,126.24 116.73,128.1 116.73,130.18 116.9,130.36 116.9,135.72 116.27,136.35 v1(116.27,137.84)
  SIG2 w0.3: v1(106.34,129.31) 106.1,129.55 106.1,136.44 ; v1(110.13,129.56) 110.74,128.95 110.74,124.13 112.03,122.83 v1(112.03,121.2) ; 106.1,136.44 106.1,137.24 ; 106.1,136.44 106.1,139.03 v1(106.06,139.07)
  SIG2 w0.5: v1(100.76,113.8) 100.76,110.09 99.28,108.61 93.44,108.61 91.38,110.66 81.4,110.66 72.97,119.1 72.97,121.6 74.19,122.82 74.19,131.01 v1(72.83,132.36) 72.83,130.65 70.64,128.45 v1(63.83,128.45)
  PWR w0.2: 23.82,118.31 v1(23.08,117.57) ; 100.28,112.66 99.75,112.66 99.31,112.21 99.31,112.02 v1(98.77,111.49) ; 33.06,105.37 33.06,105.37 v1(33.06,104.96) ; v1(115.94,118) 116.62,118 117.1,117.53 v1(118.89,117.53) ; 104.79,93.48 v1(104.8,92.01)
  PWR w0.3: GND_VIA#1291.1 121.43,49.4 121.43,63.34 v1(121.15,63.62) ; v1(121.15,64.38) 123.09,64.38 123.51,63.96 123.51,48.18 GND_VIA#1290.1 ; v1(23.08,117.57) 23.82,118.31 v1(32.99,118.31)
  PWR w0.5: v1(81.37,136.19) 78.73,133.55 v1(74.24,133.55) ; v1(26.94,100.96) 31.11,100.96 33.06,102.91 33.06,108.79 34,109.74 34,117.29 ; 34,117.29 v1(32.99,118.31) 34,117.29 ; 34,117.29 v1(34,112.67) ; v1(15.16,22.58) 15.16,22.02 15.82,21.36 v1(18.51,21.36) 18.51,18.46 20.13,16.84 22.88,16.84 23.34,17.29 23.34,22.37 24.55,23.59 24.55,25.93 22.78,27.71 22.78,30.25 21.56,31.47 21.56,67.64 26.94,73.02 35.83,73.02 36.59,73.78 36.59,74.44 36.01,75.03 v1(36.01,75.05) ; 101.78,112.38 101.78,101.42 104.79,98.41 104.79,89.68 106.06,88.41 106.06,71.37 104.49,69.79 v1(101.54,69.79) ; 101.78,112.38 101.78,112.66 ; 101.78,112.38 101.78,113.38 ; 101.78,112.66 101.78,112.79 103.54,112.79 104.1,112.22 106.13,112.22 v1(106.27,112.09) ; 101.78,112.66 101.78,113.38 ; 101.78,112.66 v1(101.78,107.6) ; 101.78,112.66 100.28,112.66 ; 101.78,113.38 101.36,113.8 ; 101.78,113.38 101.36,113.8 ; 101.36,113.8 v1(100.76,113.8)
  B w0.2: 109.19,114.14 108.89,113.85 U35.4 ; 110,114.14 110.52,113.62
  B w0.3: v1(63.83,128.45) 64.25,128.87 U61.4 ; v1(110.52,112.94) 110.52,113.62 110,114.14 109.19,114.14 ; v1(72.83,132.36) 73.31,132.36 74.64,131.04 U63.4 ; U114.5 22.02,117.71 22.94,117.71 v1(23.08,117.57) ; v1(81.37,136.19) 81.88,136.19 82.07,136.38 C245.1
  B w0.5: v1(100.39,76.75) 100.9,76.24 100.9,71.84 100.58,71.52 100.58,69.79 ; 100.58,69.79 v1(100.58,63.8) ; 100.58,69.79 v1(101.54,69.79) ; v1(112.03,121.2) 112.36,121.2 112.97,120.59 112.97,119.68 114.65,118 v1(115.94,118) 115.33,118 C314.1 ; v1(74.24,133.55) 73.2,133.55 72.83,133.19 v1(72.83,132.36) ; C363.1 111.05,114.15 110.52,113.62 110.08,114.07 C364.1
+5V: length 823
  T w0.2: U112.3 U112.3 ; U112.4 U112.4
  T w0.3: U18.5 112.58,53.56 111.88,54.26 111.88,55.55 112.39,56.06 114.7,56.06 ; 114.7,56.06 114.7,56.4 115.01,56.71 U112.3 ; 114.7,56.06 U112.4
  T w0.5: 38.22,11.48 37.78,11.92 ; 37.55,90.03 37.57,90.01 U106.1 ; R224.2 45.28,81.04 C336.1 43.84,81.02 C335.1 ; v1(63.43,134.03) 63.41,134.01 C121.1 ; v1(31.31,131.26) 31.72,131.26 32.14,131.69 R3.1 ; v1(118.76,94.66) 118.92,94.5 U31.6 ; v1(124.33,46.25) 124.39,46.32 C203.2 ; 53.75,116.29 53.6,116.44 54.95,116.44 U52.1 53.75,116.29 ; 53.75,116.29 53.65,116.18 C100.1 ; 69.82,118.78 70.1,119.07 C275.1 ; U105.5 31.4,93.48 C286.1 ; GND_VIA#645.1 37.5,68.12 R148.1 ; 111.61,26.86 R31.1 ; C283.1 90.25,91.47 U88.6 89.36,92.1 U87.1